# Altium PCB MiniPC.PcbDoc (part 18 of 22)
Units mm, origin at the board's own origin, x right, y up, seen from the top; angles counter-clockwise.
Board outline 175 x 155 mm, 16 copper layers (1_Top, 2_int1_(gnd), 3_int2_(power), 4_int3_(gnd), 5_int4_(sign), 6_int5_(power), 7_int6_(sign), 8_int7_(power), 9_int8_(gnd), 10_int9_(sign), 11_int10_(gnd), 12_int11_(sign), 13_int12_(gnd), 14_int13_(power), 15_int14_(gnd), 16_Bottom), stack 2.008 mm thick; 1046 components, 837 nets, 6010 pads, 4009 vias.
Unrouted connection lines stored in the file: 575.
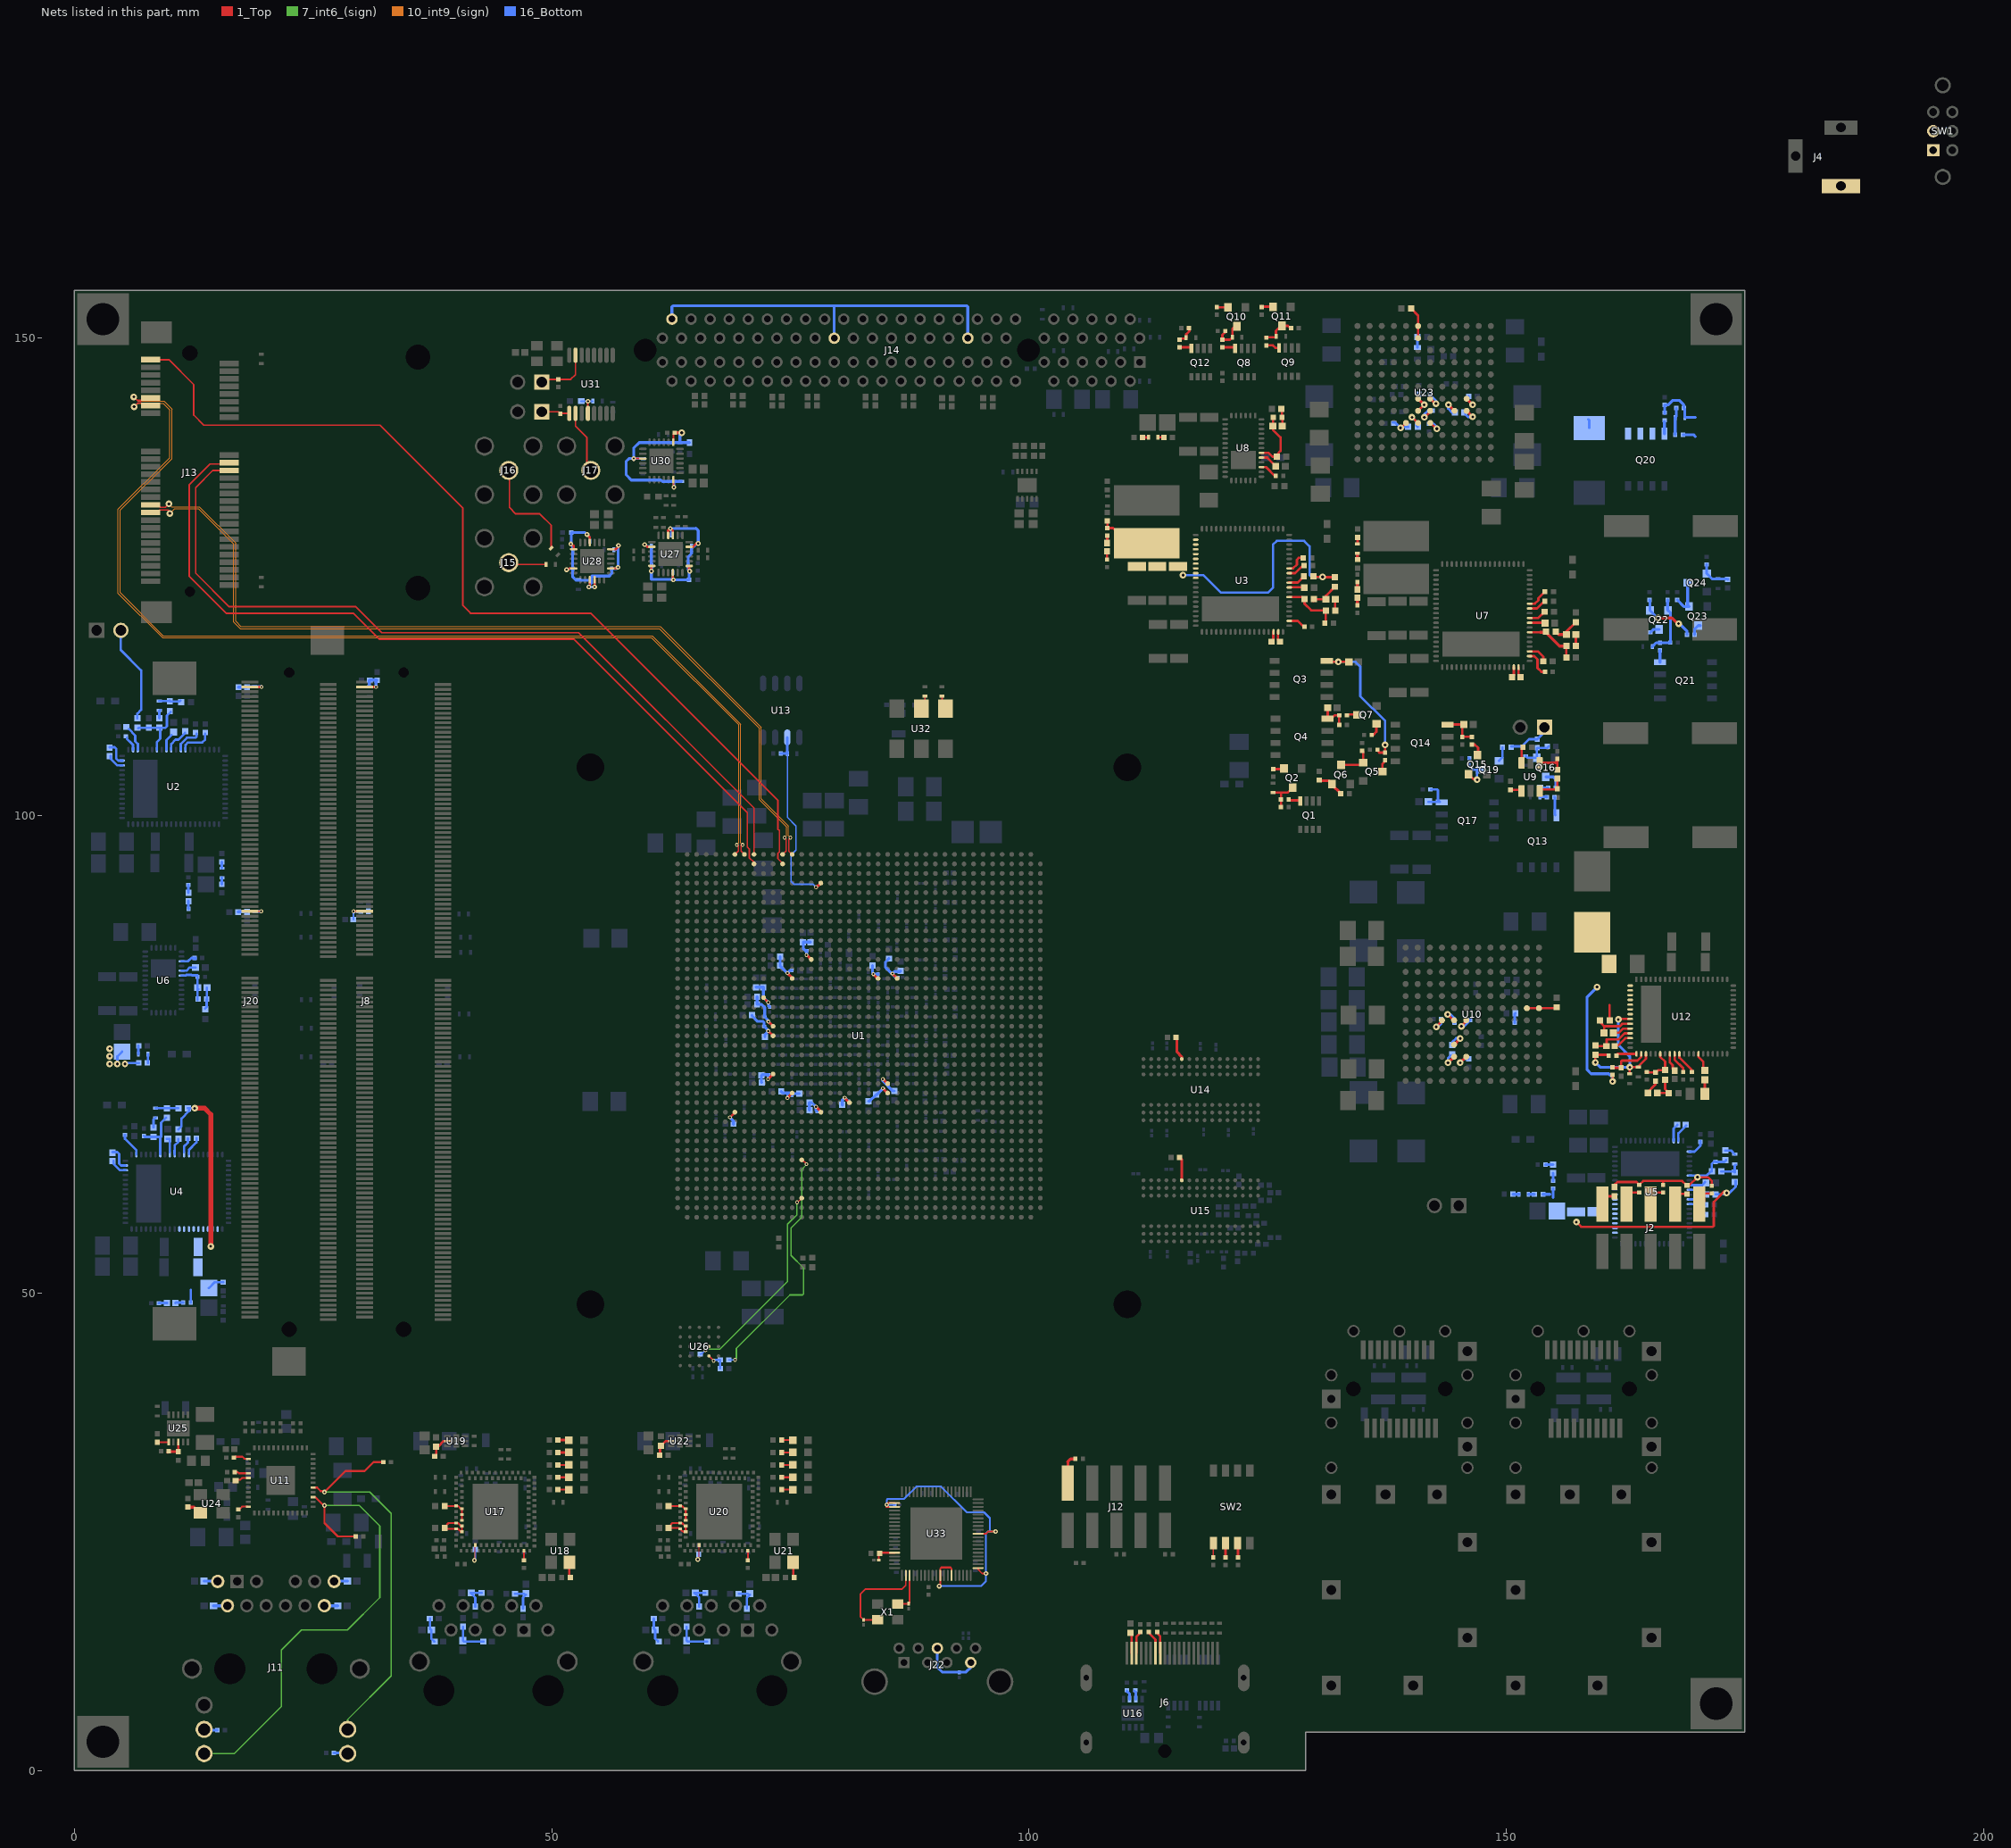
[diagram p32: the nets of this part, all layers, seen from the top]

## Via types
v1: diameter 0.4, hole 0.2, 1_Top to 16_Bottom, tented both sides, 1658 vias
v2: diameter 0.5, hole 0.2, 1_Top to 16_Bottom, tented both sides, 1014 vias
v3: diameter 0.7, hole 0.3, 1_Top to 16_Bottom, tented both sides, 915 vias
v4: diameter 0.6, hole 0.2, 1_Top to 16_Bottom, tented both sides, 278 vias
v5: diameter 0.4, hole 0.2, 1_Top to 16_Bottom, 93 vias
v6: diameter 0.4/0/0/0/0/0/0/0/0/0/0/0/0/0/0/0.4 (per signal layer), hole 0.2, 1_Top to 16_Bottom, tented both sides, 18 vias
v7: diameter 0.4/0/0/0/0/0/0/0/0/0/0/0.4/0.4/0.4/0.4/0.4 (per signal layer), hole 0.2, 1_Top to 16_Bottom, tented both sides, 16 vias
v8: diameter 0.5, hole 0.254, 1_Top to 16_Bottom, tented both sides, 15 vias
v9: diameter 0.5, hole 0.2, 1_Top to 16_Bottom, 2 vias

## Nets (pads, with @x,y where several pads share a name; then routed paths per layer and width w, separated by ;. In a path a pad name is that pad's centre, name@x,y a point inside that pad or via, vN(x,y) a via of type N, cw(c..) or ccw(c..) an arc to the next point about the centre after c; other vN are vias at no path point) (continued)
MINIPCIE_PERST_L: J13.22 U1.A9 | length 86.7
  1_Top w0.17: J13.22@16.2,136.15 14.5,136.15 12.705,134.355 12.705,125.395 16.22,121.88 29.482,121.88 32.202,119.16 52.84,119.16 71.194,100.806 U1.A9@71.194,95.939
MINIPCIE_PET_N: J13.31 U1.A13 | length 93.5
  1_Top w0.1: v1@74.902,97.602 v1(75,97.7)
  1_Top w0.15: J13.31@8,132.55 8.75,132.55 9.015,132.285 9.535,132.285 v3(9.9,132.65) ; v1@74.902,97.602 74.829,97.529 74.829,96.304 U1.A13@75.194,95.939
  10_int9_(sign) w0.11: v3(9.9,132.65) 10.19,132.36 13.09,132.36 16.9,128.55 16.9,120.35 17.45,119.8 61.387,119.8 71.945,109.242 71.945,101.752 74.805,98.892 74.805,97.895 v1(75,97.7)
MINIPCIE_PET_P: J13.33 U1.A12 | length 93.4
  1_Top w0.1: v3(10,131.65) v3@10,131.84 ; v1(74.4,97.7) v1@74.505,97.595
  1_Top w0.15: J13.33@8,131.75 8.65,131.75 8.915,132.015 9.825,132.015 v3@10,131.84 ; U1.A12@74.194,95.939 74.559,96.304 74.559,97.541 v1@74.505,97.595
  10_int9_(sign) w0.11: v3@10,131.74 v3(10,131.65) 10.5,132.15 13.003,132.15 16.69,128.463 16.69,120.263 17.363,119.59 61.3,119.59 71.735,109.155 71.735,101.665 74.595,98.805 74.595,97.895 v1(74.4,97.7)
MINIPCIE_REFCLK_N: J13.11 U1.A8 | length 112.8
  1_Top w0.1: 69.804,96.9 69.843,96.939 v1(70,96.939)
  1_Top w0.15: v3(6.225,143.85) 6.59,143.485 6.985,143.485 7.25,143.75 J13.11@8,143.75 ; v1@69.829,96.9 69.829,96.304 U1.A8@70.194,95.939
  10_int9_(sign) w0.11: v3(6.225,143.85) 6.665,143.41 9.387,143.41 10.21,142.587 10.21,137.41 4.8,132 4.8,123.361 9.321,118.84 60.552,118.84 69.805,109.587 69.805,97.134 v1(70,96.939)
MINIPCIE_REFCLK_P: J13.13 U1.A7 | length 112.4
  1_Top w0.1: v1(69.4,96.939) 69.545,96.939 v1@69.584,96.9
  1_Top w0.15: v3(6.25,142.825) 6.25,142.84 6.625,143.215 6.985,143.215 7.25,142.95 J13.13@8,142.95 ; U1.A7@69.194,95.939 69.559,96.304 v1@69.559,96.9
  10_int9_(sign) w0.11: v3(6.25,142.825) 6.625,143.2 9.3,143.2 10,142.5 10,137.497 4.59,132.087 4.59,123.274 9.234,118.63 60.465,118.63 69.595,109.5 69.595,97.134 v1(69.4,96.939)
MINIPCIE_W_DISABLE_L: J13.20 U1.B9 | length 89.1
  1_Top w0.17: J13.20@16.2,136.95 16.08,136.83 14.218,136.83 12.025,134.637 12.025,125.075 15.9,121.2 29.2,121.2 31.92,118.48 52.32,118.48 70.5,100.3 70.5,96.7 70.7,96.5 70.7,95.6 71.194,95.106 U1.B9@71.194,94.939
MINIPCIE_WAKE_L: J13.1 U1.B12 | length 99.7
  1_Top w0.17: J13.1@8,147.75 9.9,147.75 12.5,145.15 12.5,141.95 13.55,140.9 32,140.9 40.7,132.2 40.7,122 41.5,121.2 54.1,121.2 73.694,101.606 73.694,98.603 73.86,98.436 73.86,96.207 73.7,96.047 73.7,95.5 74.194,95.006 U1.B12@74.194,94.939
NetC1_1: C1.1 Q2.3 R2.1 R3.2 | length 3.8
  1_Top w0.25: C1.1@125.55,102.41 126.442,102.41 ; R3.2@126.4,100.9 R2.1@126.4,101.7 126.4,102.368 126.442,102.41 ; Q2.3@127.63,102.94 127.1,102.41 126.442,102.41
NetC2_2: C2.2 Q3.4 R5.1 R6.2 | length 16.5
  1_Top w0.25: Q3.4@131.01,116.2 131.11,116.1 v3(132.41,116.1) C2.2@133.52,116.1 ; R5.1@136.41,106.9 136.71,106.6 R6.2@137.31,106.6 v3(137.31,107.4)
  16_Bottom w0.25: v3@132.11,116.1 v3(132.41,116.1) 134.21,116.1 134.71,115.6 134.71,112.5 137.31,109.9 v3(137.31,107.4)
NetC3_2: C3.2 Q4.4 R8.1 R11.2 | length 3.2
  1_Top w0.25: Q4.4@131.293,110.155 131.293,111.283 C3.2@131.31,111.3 ; Q4.4@131.51,110 132.01,110.5 R11.2@132.5,110.5 ; R8.1@132.5,109.5 132.5,110.29 R11.2@132.51,110.3
NetC4_1: C4.1 Q10.3 R14.1 R16.2 | length 3.6
  1_Top w0.25: R16.2@120.57,150.65 120.27,150.35 R14.1@120.27,149.85 121.05,149.85 C4.1@121.3,150.1 121.3,150.98 Q10.3@121.77,151.45
NetC5_1: C5.1 Q11.3 R15.1 R17.2 | length 3.5
  1_Top w0.25: R15.1@124.77,150.15 124.82,150.1 125.8,150.1 C5.1@125.9,150.2 ; C5.1@125.87,150.25 125.87,150.77 126.4,151.3 Q11.3@126.5,151.3 127.12,151.3 R17.2@127.37,151.05
NetC6_1: C6.1 R19.1 R20.2 | length 2
  1_Top w0.25: R19.1@115.77,149.85 115.87,149.95 116.37,149.95 C6.1@116.47,150.05 116.47,150.42 116.8,150.75 116.8,150.92 R20.2@116.67,151.05
NetC7_1: C7.1 R25.1 | length 0.7
  16_Bottom w0.3: R25.1@15.44,92.82 15.44,93.48 C7.1@15.45,93.49
NetC7_2: C7.2 R23.1 | length 0.6
  16_Bottom w0.3: R23.1@15.44,95.13 15.44,94.5 C7.2@15.45,94.49
NetC8_1: C8.1 R24.1 R26.2 | length 2.3
  16_Bottom w0.25: C8.1@8.9,112 9.94,112 R24.1@10,112.06 ; R24.1@10,111.96 11,111.96 R26.2@11.1,112.06
NetC8_2: C8.2 R22.1 | length 0.9
  16_Bottom w0.25: R22.1@8.9,110.2 8.9,110.96 C8.2@9,111.06
NetC13_1: C13.1 R28.2 | length 0.8
  16_Bottom w0.3: R28.2@11.94,92.74 11.94,91.94 C13.1@11.95,91.93
NetC13_2: C13.2 R30.2 | length 0.8
  16_Bottom w0.3: C13.2@11.95,91.05 11.95,90.26 R30.2@11.96,90.25
NetC14_2: C14.2 U2.57 | length 1.8
  16_Bottom w0.25: U2.57@9.65,106.91 9.65,107.91 C14.2@10.2,108.46
NetC15_1: C15.1 U2.47 | length 2.5
  16_Bottom w0.25: C15.1@3.7,107.16 4.2,107.16 4.4,106.96 4.4,105.96 4.6,105.76 U2.47@5.055,105.76
NetC15_2: C15.2 U2.46 | length 1.8
  16_Bottom w0.25: C15.2@3.8,106.26 3.8,105.96 4.5,105.26 4.8,105.26 U2.46@5.055,105.26
NetC16_1: C16.1 R38.2 | length 0.8
  1_Top w0.25: C16.1@108.19,128.55 108.2,128.56 R38.2@108.2,129.31
NetC16_2: C16.2 R40.2 | length 0.9
  1_Top w0.25: R40.2@108.18,126.82 108.19,126.83 C16.2@108.19,127.67
NetC17_1: C17.1 R39.1 R41.2 | length 3.1
  1_Top w0.25: R39.1@129.79,122.47 129.99,122.67 C17.1@131.1,122.67 131.1,123.005 R41.2@132.065,123.97
NetC17_2: C17.2 R37.1 | length 1.2
  1_Top w0.25: C17.2@132.08,122.67 132.08,121.48 R37.1@132.09,121.47
NetC20_2: C20.2 C21.2 C22.2 R38.1 R41.1 R42.2 R43.2 R45.2 U3.20 U3.21 U3.22 U3.23 U3.24 U3.25 U3.26 U3.27 U3.28 | length 31.5
  1_Top w0.25: R45.2@108.21,130.85 108.21,130.12 R38.1@108.2,130.11 108.81,130.11 110.41,128.51 R42.2@112.34,128.51 ; R43.2@129.795,125.06 R43.2@129.861,124.995 ; R43.2@129.886,124.97 R43.2@129.861,124.995 ; R41.1@132.065,124.97 130.79,124.97 v3(130.765,124.995) R43.2@129.861,124.995
  16_Bottom w0.25: v3(116.14,125.18) 118.28,125.18 120.09,123.37 125.065,123.37 125.565,123.87 125.565,128.37 125.965,128.77 128.835,128.77 129.394,128.211 129.394,125.208 129.607,124.995 v3(130.765,124.995)
NetC24_2: C24.2 U3.65 | length 1.6
  1_Top w0.25: U3.65@127.24,123.91 128.64,123.91 C24.2@128.78,123.77
NetC25_1: C25.1 U3.55 | length 1.1
  1_Top w0.25: U3.55@126.09,119.26 126.09,118.4 C25.1@126.28,118.21
NetC25_2: C25.2 U3.54 | length 1.1
  1_Top w0.25: C25.2@125.4,118.21 125.59,118.4 U3.54@125.59,119.26
NetC27_1: C27.1 R52.1 R54.2 | length 2.2
  16_Bottom w0.25: C27.1@8.495,69.35 R52.1@9.595,69.35 ; R52.1@9.795,69.35 R54.2@10.895,69.35
NetC27_2: C27.2 R50.1 | length 1.1
  16_Bottom w0.25: R50.1@8.295,67.35 8.295,68.15 C27.2@8.495,68.35
NetC30_2: C30.2 C31.2 R51.2 R54.1 R55.2 R56.1 R57.2 U4.16 U4.17 U4.18 U4.19 U4.20 U4.21 U4.22 U4.23 U4.24 | length 22.2
  1_Top w0.5: v3(12.595,69.35) 13.65,69.35 14.3,68.7 14.3,54.9 v3(14.28,54.88)
  16_Bottom w0.25: R57.2@10.895,67.15 11.22,67.475 11.22,68.275 11.995,69.05 R54.1@11.995,69.35 ; R54.1@11.895,69.35 R54.1@11.995,69.35 ; R56.1@12.2,49 12.2,50.31 ; v3(12.595,69.35) R54.1@11.995,69.35 ; R55.2@14.08,50.515 14.695,51.13 R51.2@15.6,51.13
NetC32_1: C32.1 R56.2 | length 0.8
  16_Bottom w0.25: C32.1@10.59,48.95 10.64,49 R56.2@11.4,49
NetC32_2: C32.2 R58.2 | length 0.9
  16_Bottom w0.25: R58.2@8.86,48.94 8.87,48.95 C32.2@9.71,48.95
NetC33_2: C33.2 U4.57 | length 1.7
  16_Bottom w0.25: C33.2@9.695,66.14 C33.2@9.795,66.14 9.995,66.14 U4.57@9.995,64.75
NetC34_1: C34.1 U4.47 | length 2.5
  16_Bottom w0.25: C34.1@3.995,64.75 4.495,64.75 4.695,64.55 4.695,63.55 4.895,63.35 U4.47@5.35,63.35
NetC34_2: C34.2 U4.46 | length 1.8
  16_Bottom w0.25: C34.2@4.095,63.85 4.095,63.55 4.795,62.85 5.095,62.85 U4.46@5.35,62.85
NetC35_1: C35.1 R67.1 | length 0.6
  16_Bottom w0.3: R67.1@150.69,60.36 150.71,60.34 C35.1@151.33,60.34
NetC35_2: C35.2 R65.1 | length 0.6
  16_Bottom w0.3: C35.2@152.33,60.34 R65.1@152.95,60.34
NetC36_1: C36.1 R66.1 R68.2 | length 2.2
  16_Bottom w0.25: R66.1@172.535,62.73 173.735,62.73 R68.2@173.835,62.83 ; R68.2@173.935,62.63 173.935,63.33 C36.1@174.035,63.43
NetC36_2: C36.2 R64.1 | length 1.2
  16_Bottom w0.25: R64.1@172.935,64.93 173.535,64.93 C36.2@173.935,64.53
NetC39_2: C39.2 C40.2 R65.2 R68.1 R69.2 R70.1 R71.2 U5.16 U5.17 U5.18 U5.19 U5.20 U5.21 U5.22 U5.23 U5.24 | length 24
  1_Top w0.25: v3@157.343,57.423 157.835,56.93 171.635,56.93 171.735,57.03 171.735,59.53 172.835,60.63 172.94,60.63 v3(173.08,60.49)
  16_Bottom w0.25: R71.2@171.935,60.33 173.235,60.33 v3@173.395,60.49 ; v3(173.08,60.49) v3@173.395,60.49 ; R68.1@174.035,61.73 174.035,61.13 v3@173.395,60.49
  16_Bottom w0.3: R65.2@153.85,60.34 154.58,60.34 ; 154.9,60.02 R70.1@154.9,60.95
  other v3: 157.35,57.43
NetC41_1: C41.1 R70.2 | length 0.8
  16_Bottom w0.3: R70.2@154.9,61.75 154.9,62.55 C41.1@154.91,62.56
NetC41_2: C41.2 R72.2 | length 0.8
  16_Bottom w0.3: R72.2@154.1,63.45 154.11,63.44 C41.2@154.91,63.44
NetC42_2: C42.2 U5.57 | length 1.8
  16_Bottom w0.25: U5.57@169.185,61.306 170.511,61.306 C42.2@170.835,61.63
NetC43_1: C43.1 U5.47 | length 1.9
  16_Bottom w0.25: U5.47@168.035,65.956 168.035,66.73 C43.1@168.835,67.53
NetC43_2: C43.2 U5.46 | length 1.8
  16_Bottom w0.25: U5.46@167.535,65.956 167.535,67.23 C43.2@167.935,67.63
NetC44_1: C44.1 R84.1 | length 0.9
  16_Bottom w0.25: C44.1@6.7,75 R84.1@6.7,75.9
NetC44_2: C44.2 R82.1 | length 0.9
  16_Bottom w0.25: R82.1@7.7,74.1 C44.2@7.7,75
NetC48_1: C48.1 R86.1 R88.2 U6.31 | length 4.5
  16_Bottom w0.25: U6.31@11.225,83.25 11.666,83.25 11.741,83.325 12.259,83.325 12.319,83.265 12.9,83.265 R88.2@12.9,83.1 12.9,81.9 C48.1@12.91,81.89 ; R86.1@12.9,80.7 12.91,80.71 C48.1@12.91,81.89 ; C48.1@12.91,82 C48.1@12.91,81.89 ; C48.1@13,81.8 C48.1@12.91,81.89
NetC48_2: C48.2 R85.2 R86.2 | length 2.4
  16_Bottom w0.25: R85.2@13.7,79.8 13.85,79.95 R86.2@13.85,80.8 ; C48.2@13.89,82 13.89,80.71 R86.2@13.9,80.7
NetC49_2: C49.2 U6.30 | length 1.6
  16_Bottom w0.25: U6.30@11.225,83.75 11.75,83.75 12.1,84.1 C49.2@12.69,84.1 C49.2@12.7,84.1
NetC50_1: C50.1 R92.2 | length 0.8
  1_Top w0.3: C50.1@134.41,123.69 R92.2@134.41,124.45
NetC50_2: C50.2 R94.2 | length 0.8
  1_Top w0.3: R94.2@134.41,122.03 C50.2@134.41,122.81
NetC51_1: C51.1 R93.1 R95.2 | length 3
  1_Top w0.25: C51.1@156.305,118.96 156.305,119.295 R95.2@157.27,120.26
  1_Top w0.3: R93.1@155.17,119.26 155.47,118.96 C51.1@156.305,118.96
NetC51_2: C51.2 R91.1 | length 1.2
  1_Top w0.25: C51.2@157.285,118.96 157.285,117.77 R91.1@157.295,117.76
NetC57_1: C57.1 R99.1 | length 0.6
  1_Top w0.3: C57.1@134.41,127.46 134.41,126.83 R99.1@134.42,126.82
NetC57_2: C57.2 R98.1 | length 0.7
  1_Top w0.3: C57.2@134.41,128.46 134.43,128.48 R98.1@134.43,129.12
NetC58_2: C58.2 U7.65 | length 1.6
  1_Top w0.25: U7.65@152.445,120.2 153.845,120.2 C58.2@153.985,120.06
NetC59_1: C59.1 U7.55 | length 1.1
  1_Top w0.25: U7.55@151.295,115.55 151.295,114.69 C59.1@151.485,114.5
NetC59_2: C59.2 U7.54 | length 1.1
  1_Top w0.25: C59.2@150.605,114.5 150.795,114.69 U7.54@150.795,115.55
NetC60_1: C60.1 R106.1 | length 0.6
  1_Top w0.25: C60.1@113.52,139.62 114.12,139.62 R106.1@114.13,139.61
NetC60_2: C60.2 R104.1 | length 0.6
  1_Top w0.25: R104.1@111.89,139.61 112.51,139.61 C60.2@112.52,139.62
NetC64_1: C64.1 R108.1 R110.2 U8.31 | length 6.3
  1_Top w0.25: U8.31@124.35,138 125.1,138 125.5,137.6 R110.2@125.95,137.6 125.95,137.8 126.35,138.2 126.35,139.59 126.36,139.6 125.56,140.4 C64.1@125.56,140.8 125.56,141.51 R108.1@125.65,141.6
NetC64_2: C64.2 R107.2 R108.2 | length 1.8
  1_Top w0.25: R107.2@126.45,142.7 126.5,142.65 R108.2@126.5,141.7 R108.2@126.5,141.5 ; C64.2@126.54,140.8 126.55,140.81 126.55,141.4 126.54,141.39
NetC65_2: C65.2 U8.30 | length 1.4
  1_Top w0.25: U8.30@124.35,137.5 124.95,137.5 C65.2@125.55,136.9
NetC66_1: C66.1 R112.1 R114.1 R116.2 | length 2.6
  16_Bottom w0.3: R114.1@154.25,101.94 154.23,101.96 C66.1@153.52,101.96 153.56,102 R112.1@153.56,102.93 153.58,102.91 R116.2@154.38,102.91
NetC67_2: C67.2 Q14.4 R115.1 R117.2 | length 4.3
  1_Top w0.25: Q14.4@143.545,109.55 C67.2@145.555,109.55 ; C67.2@145.445,109.45 145.395,109.4 R115.1@145.395,108.25 R117.2@146.445,108.25
NetC68_2: C68.2 Q16.1 R118.1 R119.2 | length 3.5
  16_Bottom w0.25: C68.2@152.045,106.25 152.245,106.05 Q16.1@153.195,106.05 153.195,107 R118.1@153.245,107.05 ; R118.1@153.245,107.1 154.295,107.1 R119.2@154.445,107.25
NetC70_2: C70.2 Q17.4 R125.1 | length 3.2
  16_Bottom w0.25: C70.2@141.835,101.45 143.045,101.45 142.845,101.65 142.845,102.65 142.745,102.75 R125.1@142.145,102.75
NetC73_1: C73.1 R129.1 R130.1 R131.2 SW1.2 | length 5.8
  16_Bottom w0.3: R130.1@166.6,142.1 R130.1@166.6,142.2 R131.2@166.6,143.018 166.918,143.018 166.931,143.031 167,143.031 167.469,143.5 168.131,143.5 168.6,143.031 R129.1@168.6,142.7 168.7,142.6 C73.1@168.7,141.7 169.8,141.7
NetC73_2: C73.2 D1.2 J4.1 Q20.1 Q20.2 Q20.3 R128.2 R129.2 | length 3.8
  16_Bottom w0.254: D1.2@158.6,141.5 158.7,141.4 D1.2@158.7,140.6
  16_Bottom w0.3: R128.2@167.7,139.9 C73.2@167.7,141.7 167.8,141.8 R129.2@167.8,142.7
NetC78_1: C78.1 Q22.2 R132.1 R136.1 R137.2 | length 6.7
  16_Bottom w0.3: C78.1@165.3,117.7 165.7,118.1 R136.1@166.1,118.1 167.2,118.1 167.2,121.25 Q22.2@166.95,121.5 166.9,121.55 R132.1@166.9,122.6
NetC79_2: C79.2 Q24.1 R139.2 R140.2 | length 3.4
  16_Bottom w0.3: R139.2@171,126.3 Q24.1@171,125.35 171.55,124.8 C79.2@172.2,124.8 173.15,124.8 R140.2@173.2,124.75
NetC94_1: C94.1 R152.2 | length 1
  16_Bottom w0.25: R152.2@150.89,78.295 150.89,79.235 C94.1@150.95,79.295
NetC107_1: C107.1 R169.2 | length 1.1
  16_Bottom w0.254: C107.1@140.7,149.025 R169.2@140.7,150.125
NetC108_1: C108.1 R175.2 | length 1.6
  1_Top w0.25: C108.1@164.734,70.95 165.634,71.85 R175.2@165.634,72.2
NetC108_2: C108.2 R173.1 R174.2 | length 2.8
  1_Top w0.25: C108.2@165.834,70.95 C108.2@165.844,70.95 R173.1@167.034,70.95 166.634,71.35 R174.2@166.634,72.35
NetC109_2: C109.2 C114.1 R172.1 R176.2 U12.42 U12.51 | length 16.1
  1_Top w0.25: v3(159.334,74.15) R172.1@159.334,74.95 160.634,74.95 R176.2@160.734,74.85 ; v3@161.634,78.65 161.685,78.7 U12.42@162.985,78.7 ; C109.2@162.934,72.95 v3@162.934,73.55 ; v3(162.934,73.65) 163.734,73.65 163.784,73.7 164.634,74.55 U12.51@164.634,75.05
  16_Bottom w0.3: v3(159.334,74.15) 159.834,73.65 v3(162.934,73.65) 162.934,74.806 161.734,76.006 v3(161.734,78.65)
NetC110_2: C110.2 U12.56 | length 1.7
  1_Top w0.25: U12.56@167.134,75.05 167.134,74.15 167.434,73.85 C110.2@167.434,73.45
NetC111_1: C111.1 U12.44 | length 1.9
  1_Top w0.25: C111.1@161.224,77.25 161.784,77.25 162.234,77.7 U12.44@162.984,77.7
NetC111_2: C111.2 R178.2 U12.43 | length 4.2
  1_Top w0.25: R178.2@159.934,78.45 159.934,78.25 160.235,77.95 ; C111.2@160.244,77.25 160.244,77.94 160.235,77.95 ; U12.43@162.984,78.2 162.168,78.2 161.918,77.95 160.235,77.95
NetC115_1: C115.1 U12.46 | length 2
  1_Top w0.25: C115.1@161.334,75.95 161.734,75.95 162.484,76.7 U12.46@162.984,76.7
NetC115_2: C115.2 R172.2 U12.45 | length 4.4
  1_Top w0.25: R172.2@159.534,75.85 160.434,75.85 160.514,75.93 160.514,76.55 161.734,76.55 162.384,77.2 U12.45@162.984,77.2
NetC116_2: C116.2 F1.1 R178.1 R179.1 U12.35 U12.36 U12.37 U12.38 U12.39 U12.40 U12.41 | length 14.8
  1_Top w0.25: R178.1@160.834,78.55 160.834,80.15 ; v3(161.134,72.15) R179.1@161.134,72.85
  16_Bottom w0.3: v3(159.51,82.05) 158.47,81.01 158.47,73.37 158.88,72.96 160.745,72.96 161.134,72.571 v3(161.134,72.15)
NetC117_1: C117.1 R183.2 | length 1.5
  1_Top w0.25: C117.1@170.805,72.32 170.805,70.879 R183.2@170.834,70.85
NetC117_2: C117.2 U12.62 | length 1.8
  1_Top w0.25: U12.62@170.135,75.05 170.134,74.734 170.634,74.234 C117.2@170.634,73.45
NetC118_2: C118.2 R195.2 U1.AG19 | length 2.2
  1_Top w0.3: v1(80.7,70.467) 80.7,70.433 U1.AG19@81.194,69.939
  16_Bottom w0.3: R195.2@80.45,69.7 80.45,70.217 v1(80.7,70.467) 81.107,70.06 C118.2@81.125,70.06
NetC119_2: C119.2 R196.2 U1.AE23 | length 2.6
  1_Top w0.3: v1(84.7,72.4) 85.161,71.939 U1.AE23@85.194,71.939
  16_Bottom w0.3: v1(84.7,72.4) 84.7,72.216 85.081,71.835 C119.2@85.2,71.835 ; C119.2@85.24,71.85 85.24,71.635 85.7,71.175 R196.2@85.9,71.175
NetC120_2: C120.2 R184.1 R197.2 U1.AF23 | length 3.5
  1_Top w0.3: v1(84.7,71.439) 84.7,71.433 U1.AF23@85.194,70.939
  16_Bottom w0.3: R184.1@83.2,70.1 83.325,70.1 R197.2@84,70.775 84.04,70.775 84.7,71.435 C120.2@85.2,70.935
NetC121_2: C121.2 R185.1 R198.2 U1.P24 | length 4.4
  1_Top w0.3: v1(85.7,83.45) 86.194,82.956 U1.P24@86.194,82.939
  16_Bottom w0.3: R198.2@85.325,85.025 84.975,84.675 84.975,84.1 85.625,83.45 v1(85.7,83.45) ; C121.2@86.2,83.065 86.021,83.065 85.7,83.386 v1(85.7,83.45) ; R185.1@86.55,83.725 86.5,83.675 85.925,83.675 v1(85.7,83.45)
NetC122_2: C122.2 R186.1 U1.P22 | length 2.1
  1_Top w0.3: v1(83.7,83.4) 83.7,83.375 84.136,82.939 U1.P22@84.194,82.939
  16_Bottom w0.3: R186.1@83.6,84.3 83.6,83.5 v1(83.7,83.4) 83.71,83.39 C122.2@84.2,83.39
NetC123_2: C123.2 R187.1 R199.2 U1.AH16 | length 3
  1_Top w0.3: v1(77.7,69.5) 78.194,69.006 U1.AH16@78.194,68.939
  16_Bottom w0.3: R199.2@77,69.15 R187.1@77,69.95 77.25,69.95 v1(77.7,69.5) 77.7,69.115 C123.2@77.815,69
NetC124_2: C124.2 R188.1 R200.2 U1.AF13 | length 3.4
  1_Top w0.3: v1@74.676,70.4 v1(74.705,70.428) 74.705,70.45 U1.AF13@75.194,70.939
  16_Bottom w0.3: R200.2@74.05,71.1 74.2,70.95 74.725,70.95 ; v1(74.705,70.428) 74.725,70.449 74.725,70.95 ; R188.1@75.95,70.875 75.34,70.875 C124.2@75.175,70.71 74.935,70.95 74.725,70.95
NetC125_2: C125.2 R189.1 R201.2 U1.AD11 | length 2.8
  1_Top w0.3: v1(72.679,72.404) 72.679,72.424 U1.AD11@73.194,72.939
  16_Bottom w0.3: R201.2@72,72.05 71.975,72.075 R189.1@71.975,72.8 72.05,72.875 C125.2@72.715,72.875 72.679,72.839 v1(72.679,72.404)
NetC126_2: C126.2 R190.1 R202.2 U1.Y11 | length 4.2
  1_Top w0.25: v1(72.694,77.439) U1.Y11@73.194,76.939
  16_Bottom w0.3: R202.2@71,79.1 71,79.016 71.566,78.45 72.15,78.45 72.25,78.35 72.25,77.935 C126.2@72.26,77.925 72.694,77.491 v1(72.694,77.439) 72.35,77.096 R190.1@72.35,76.825
NetC127_2: C127.2 R191.1 R203.2 U1.W11 | length 4.1
  1_Top w0.3: v1(72.7,78.425) 72.708,78.425 U1.W11@73.194,77.939
  16_Bottom w0.3: R203.2@71.525,81.025 R191.1@71.525,80.225 72,80.225 72.31,79.915 C127.2@72.31,78.925 72.7,78.535 v1(72.7,78.425)
NetC128_2: C128.2 R192.1 R204.2 U1.T10 | length 3.8
  1_Top w0.25: U1.T10@72.194,80.939 v1(72.694,80.439)
  16_Bottom w0.3: R204.2@71.4,82.025 R192.1@72.175,82.025 72.175,80.975 72.694,80.456 v1(72.694,80.439) 72.71,80.423 72.71,80.075 C128.2@72.825,79.96
NetC129_2: C129.2 R193.1 R205.2 U1.P13 | length 3.4
  1_Top w0.3: v1(74.7,83.5) 75.194,83.006 U1.P13@75.194,82.939
  16_Bottom w0.3: R205.2@73.925,85.225 R193.1@73.925,84.3 73.925,84.275 v1(74.7,83.5) 74.99,83.79 C129.2@75.175,83.79
NetC130_2: C130.2 R194.2 R206.2 U1.M15 | length 3
  1_Top w0.3: v1(76.7,85.4) 76.733,85.4 U1.M15@77.194,84.939
  16_Bottom w0.3: v1(76.7,85.4) 76.715,85.415 C130.2@76.715,85.875 76.575,85.875 76.35,86.1 76.35,86.75 R194.2@77.1,86.75
NetC131_2: C131.2 R207.2 U1.D16 U13.6 | length 19.9
  1_Top w0.3: v1(77.7,92.5) 77.755,92.5 U1.D16@78.194,92.939
  16_Bottom w0.17: C131.2@74.7,106.5 74.7,99.825 75.6,98.925 75.6,96.375 75.075,95.85 75.075,93.125 75.4,92.8 77.4,92.8 v1(77.7,92.5)
  16_Bottom w0.3: R207.2@74,106.5 C131.2@74.7,106.5 74.685,106.515 U13.6@74.685,108.2
NetC288_2: C288.2 J8.164 R227.2 R228.2 | length 3.6
  1_Top w0.25: v1(29.25,89.975) J8.164@30.4,89.975
  16_Bottom w0.17: R227.2@29.225,89.1 29.25,89.125 v1(29.25,89.975) 29.325,89.9 C288.2@30.025,89.9 30.1,89.975 R228.2@30.8,89.975
NetC289_1: C289.1 J8.258 R229.2 R230.2 | length 3.4
  1_Top w0.25: J8.258@30.4,113.475 v1(31.602,113.475)
  16_Bottom w0.3: C289.1@30.9,113.5 30.9,114.175 R230.2@30.925,114.2 31.675,114.2 R229.2@31.7,114.175 31.602,114.077 v1(31.602,113.475)
NetC295_1: C295.1 J20.164 R232.2 R233.2 | length 3.6
  1_Top w0.25: J20.164@18.4,89.975 v1(19.572,89.975)
  16_Bottom w0.3: R232.2@17.15,89.9 17.175,89.925 R233.2@18.071,89.925 18.146,90 C295.1@18.87,90 18.895,89.975 v1(19.572,89.975)